# Altium PCB BreakoutBoardRev1.PcbDoc (continued)
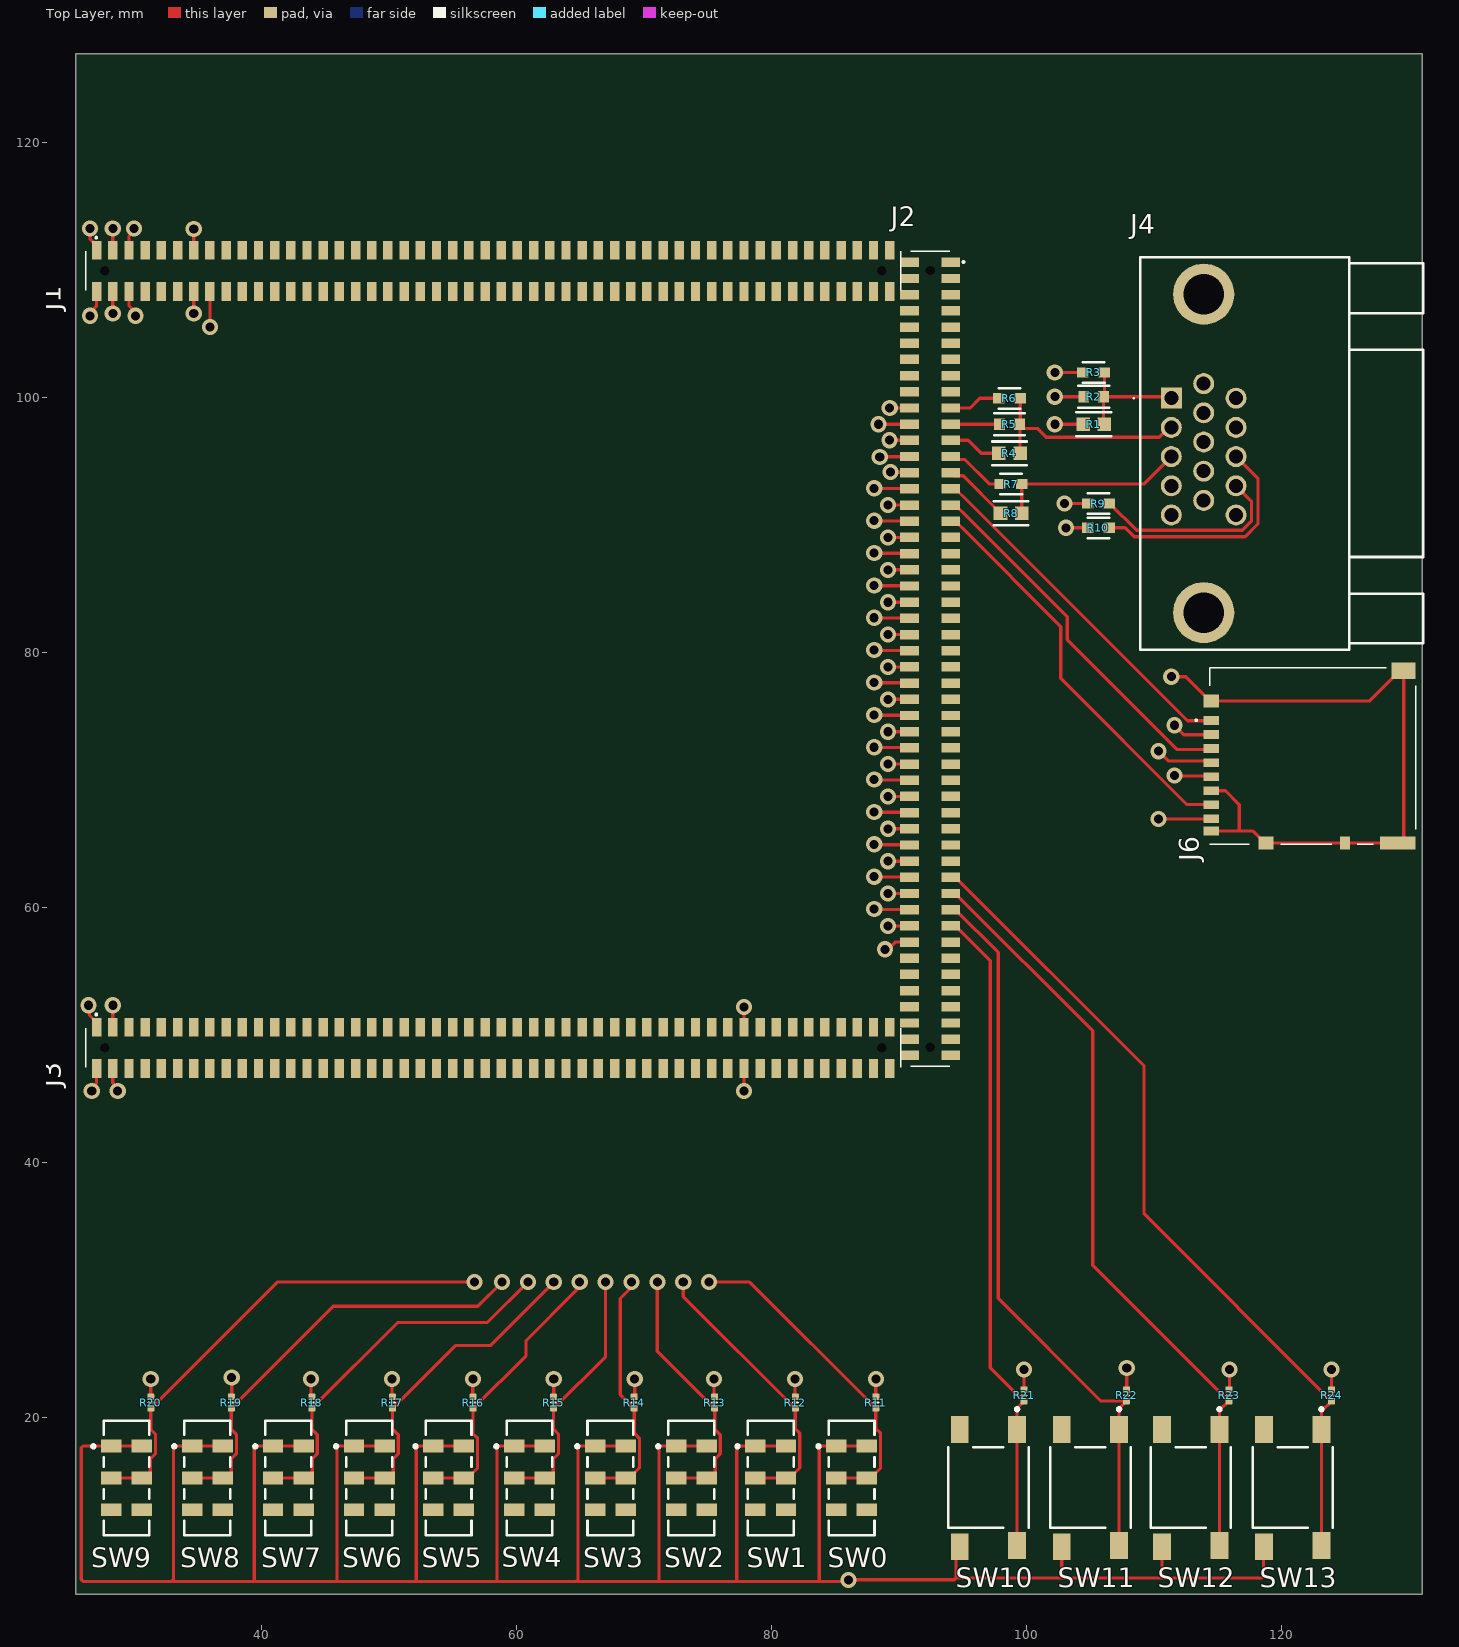
[diagram p0: Top Layer view]

## Layer stack, top to bottom
Top Solder: solder mask 0.0102, Solder Resist, Dk 3.5
Top Layer: signal copper 0.0356
Dielectric 1: dielectric 0.32, FR-4, Dk 4.8
Mid-Layer 1: signal copper 0.0356
Dielectric3: dielectric 0.32, FR-4, Dk 4.8
Mid-Layer 2: signal copper 0.0356
Dielectric4: dielectric 0.32, FR-4, Dk 4.8
Mid-Layer 3: signal copper 0.0356
Dielectric2: dielectric 0.32, FR-4, Dk 4.8
Bottom Layer: signal copper 0.0356
Bottom Solder: solder mask 0.0102, Solder Resist, Dk 3.5

## Board outline
25.4,6.096 131.064,6.096 131.064,127 25.4,127

## Design rules (kind name [scope] priority, off if disabled: settings)
Clearance [All] p1: gap=0.15 ignorepadtopadclearanceinfootprint=FALSE
ComponentClearance [All] p1: gap=1.5 collisioncheckmode=3 verticalgap=1.5 showdistances=FALSE
PolygonConnect [All] p1: connectstyle=Relief reliefconductorwidth=0.254 reliefentries=4 polygonreliefangle="90 Angle" airgapwidth=0.254
RoutingVias [All] p1: holewidth=0.711 width=1.27 viastyle="Through Hole" minholewidth=0.711 minwidth=1.27 maxholewidth=0.711 maxwidth=1.27
SolderMaskExpansion [All] p1: expansion=0.102 istentingtop=FALSE
SupplyNets "Schematic Supply Nets_2" [InNet('VDD12')] p1: voltage=0.000
SupplyNets "Schematic Supply Nets_1" [InNet('VDD3.3')] p2: voltage=0.000
SupplyNets "Schematic Supply Nets" [InNet('GND')] p3: voltage=0.000
Width [All] p1: maxlimit=0.254 minlimit=0.254 preferedwidth=0.254
29 further rules are at their usual default settings.

## Classes and differential pairs
component class SWITCHES: R11 R12 R13 R14 R15 R16 R17 R18 R19 R20 R21 R22 R23 R24 SW0 SW1 SW2 SW3 SW4 SW5 SW6 SW7 SW8 SW9 SW10 SW11 SW12 SW13
component class MICROSD: J6
component class VGA: J4 R1 R2 R3 R4 R5 R6 R7 R8 R9 R10
component class FPGA_GPIO: J1 J2 J3

## Components (designator, comment, footprint, x,y, rotation, side; value= is the part's Value field where it differs from the comment)
J1 "CLP-150-02-L-D-A" CLP-150-02-XXX-D-A 58.166,109.946 r180 top
J2 "CLP-150-02-L-D-A" CLP-150-02-XXX-D-A 92.456,79.507 r90 top
J3 "CLP-150-02-L-D-A" CLP-150-02-XXX-D-A 58.166,48.986 r180 top
J4 "L77HDE15SD1CH4FVGA" L77HDE15SD1CH4FVGA 111.379,99.957 r90 top
J6 "DM3AT-SF-PEJM5" DM3ATSFPEJM5 121.92,71.882 r90 top
R1 "MCT06030C2001FP500" FP-MCT0603-IPC_A 105.283,97.917 r0 top
R2 "AT0603FRE071KL" FP-AT0603-IPC_B 105.283,100.076 r0 top
R3 "RT0603FRE07510RL" FP-RT0603-MFG 105.283,101.981 r0 top value=510Ω
R4 "MCT06030C2001FP500" FP-MCT0603-IPC_A 98.679,95.631 r0 top
R5 "AT0603FRE071KL" FP-AT0603-IPC_B 98.679,97.917 r0 top
R6 "RT0603FRE07510RL" FP-RT0603-MFG 98.679,99.949 r0 top value=510Ω
R7 "RT0603FRE07866RL" FP-RT0603-MFG 98.806,93.218 r0 top value=866Ω
R8 "MCT06030C4640FP500" FP-MCT0603-IPC_A 98.806,90.932 r0 top
R9 "RT0603FRE0747RL" FP-RT0603-MFG 105.664,91.694 r0 top value=47Ω
R10 "RT0603FRE0747RL" FP-RT0603-MFG 105.664,89.789 r0 top value=47Ω
R11 "10KR2F" RESC0402(1005)_L 88.195,21.151 r90 top value=10k
R12 "10KR2F" RESC0402(1005)_L 81.873,21.151 r90 top value=10k
R13 "10KR2F" RESC0402(1005)_L 75.551,21.151 r90 top value=10k
R14 "10KR2F" RESC0402(1005)_L 69.23,21.151 r90 top value=10k
R15 "10KR2F" RESC0402(1005)_L 62.908,21.151 r90 top value=10k
R16 "10KR2F" RESC0402(1005)_L 56.586,21.151 r90 top value=10k
R17 "10KR2F" RESC0402(1005)_L 50.264,21.151 r90 top value=10k
R18 "10KR2F" RESC0402(1005)_L 43.943,21.151 r90 top value=10k
R19 "10KR2F" RESC0402(1005)_L 37.621,21.151 r90 top value=10k
R20 "10KR2F" RESC0402(1005)_L 31.299,21.151 r90 top value=10k
R21 "10KR2F" RESC0402(1005)_L 99.822,21.717 r90 top value=10k
R22 "10KR2F" RESC0402(1005)_L 107.865,21.717 r90 top value=10k
R23 "10KR2F" RESC0402(1005)_L 115.909,21.717 r90 top value=10k
R24 "10KR2F" RESC0402(1005)_L 123.952,21.717 r90 top value=10k
SW0 "JS202011JCQN" FP-JS202011JCQN-MFG 86.29,15.24 r270 top
SW1 "JS202011JCQN" FP-JS202011JCQN-MFG 79.94,15.24 r270 top
SW2 "JS202011JCQN" FP-JS202011JCQN-MFG 73.717,15.24 r270 top
SW3 "JS202011JCQN" FP-JS202011JCQN-MFG 67.367,15.24 r270 top
SW4 "JS202011JCQN" FP-JS202011JCQN-MFG 61.017,15.24 r270 top
SW5 "JS202011JCQN" FP-JS202011JCQN-MFG 54.667,15.24 r270 top
SW6 "JS202011JCQN" FP-JS202011JCQN-MFG 48.444,15.24 r270 top
SW7 "JS202011JCQN" FP-JS202011JCQN-MFG 42.094,15.24 r270 top
SW8 "JS202011JCQN" FP-JS202011JCQN-MFG 35.744,15.24 r270 top
SW9 "JS202011JCQN" FP-JS202011JCQN-MFG 29.394,15.24 r270 top
SW10 "2-1977223-2" FP-2-1977223-2-MFG 97.028,14.478 r0 top
SW11 "2-1977223-2" FP-2-1977223-2-MFG 105.029,14.478 r0 top
SW12 "2-1977223-2" FP-2-1977223-2-MFG 112.903,14.478 r0 top
SW13 "2-1977223-2" FP-2-1977223-2-MFG 120.904,14.478 r0 top

## Footprints (in the part's own frame and the unit in brackets; to place one, negate y for a bottom-side part, rotate by r counter-clockwise, add the part's x,y. Pads: shape width x height; smd on the part's side, far side on the other; paste and mask are expansions set on the pad)
CLP-150-02-XXX-D-A [mm]
  rect 0.74x1.47 smd: 1(31.115,-1.615) 2(31.115,1.615) 3(29.845,-1.615) 4(29.845,1.615) 5(28.575,-1.615) 6(28.575,1.615) 7(27.305,-1.615) 8(27.305,1.615) 9(26.035,-1.615) 10(26.035,1.615) 11(24.765,-1.615) 12(24.765,1.615) 13(23.495,-1.615) 14(23.495,1.615) 15(22.225,-1.615) 16(22.225,1.615) 17(20.955,-1.615) 18(20.955,1.615) 19(19.685,-1.615) 20(19.685,1.615) 21(18.415,-1.615) 22(18.415,1.615) 23(17.145,-1.615) 24(17.145,1.615) 25(15.875,-1.615) 26(15.875,1.615) 27(14.605,-1.615) 28(14.605,1.615) 29(13.335,-1.615) 30(13.335,1.615) 31(12.065,-1.615) 32(12.065,1.615) 33(10.795,-1.615) 34(10.795,1.615) 35(9.525,-1.615) 36(9.525,1.615) 37(8.255,-1.615) 38(8.255,1.615) 39(6.985,-1.615) 40(6.985,1.615) 41(5.715,-1.615) 42(5.715,1.615) 43(4.445,-1.615) 44(4.445,1.615) 45(3.175,-1.615) 46(3.175,1.615) 47(1.905,-1.615) 48(1.905,1.615) 49(0.635,-1.615) 50(0.635,1.615) 51(-0.635,-1.615) 52(-0.635,1.615) 53(-1.905,-1.615) 54(-1.905,1.615) 55(-3.175,-1.615) 56(-3.175,1.615) 57(-4.445,-1.615) 58(-4.445,1.615) 59(-5.715,-1.615) 60(-5.715,1.615) 61(-6.985,-1.615) 62(-6.985,1.615) 63(-8.255,-1.615) 64(-8.255,1.615) 65(-9.525,-1.615) 66(-9.525,1.615) 67(-10.795,-1.615) 68(-10.795,1.615) 69(-12.065,-1.615) 70(-12.065,1.615) 71(-13.335,-1.615) 72(-13.335,1.615) 73(-14.605,-1.615) 74(-14.605,1.615) 75(-15.875,-1.615) 76(-15.875,1.615) 77(-17.145,-1.615) 78(-17.145,1.615) 79(-18.415,-1.615) 80(-18.415,1.615) 81(-19.685,-1.615) 82(-19.685,1.615) 83(-20.955,-1.615) 84(-20.955,1.615) 85(-22.225,-1.615) 86(-22.225,1.615) 87(-23.495,-1.615) 88(-23.495,1.615) 89(-24.765,-1.615) 90(-24.765,1.615) 91(-26.035,-1.615) 92(-26.035,1.615) 93(-27.305,-1.615) 94(-27.305,1.615) 95(-28.575,-1.615) 96(-28.575,1.615) 97(-29.845,-1.615) 98(-29.845,1.615) 99(-31.115,-1.615) 100(-31.115,1.615)
  round 0.37 hole 0.74 unplated: 101(30.475,0) 102(-30.475,0)
  silkscreen extent -31.96,-2.66 31.96,1.52, body extent -31.97,-2.28 31.97,2.28, height 2.47
DM3ATSFPEJM5 [mm]
  rect 0.7x1.2 smd: 1(2.775,7.412) 2(1.675,7.412) 3(0.575,7.412) 4(-0.525,7.412) 5(-1.625,7.412) 6(-2.725,7.412) 7(-3.825,7.412) 8(-4.925,7.412) MP2(-5.875,7.412)
  rect 1x1.2 smd: MP1(4.325,7.412) MP3(-6.825,3.112)
  rect 1x0.8 smd: MP4(-6.825,-3.087)
  rect 1x2.8 smd: MP5(-6.825,-7.237)
  rect 1.3x1.9 smd: MP6(6.675,-7.688)
  silkscreen extent -6.93,-8.64 6.93,8.64, body extent -6.98,-8.65 6.97,7.51, height 1.68
FP-2-1977223-2-MFG [mm]
  rect 1.4x2.1 smd paste+0 mask+0: 1(2.25,4.55) 2(2.25,-4.55) 3(-2.25,4.55) 4(-2.25,-4.65)
  silkscreen extent -3.15,-3.15 3.15,6.27, body extent -3.25,-5.8 3.25,5.7, height 0.25
FP-AT0603-IPC_B [mm]
  rect 0.859x0.912 smd paste+0 mask+0: 1(-0.777,0) 2(0.777,0)
  silkscreen extent -1.21,-0.86 1.21,0.86, body extent -1.46,-0.71 1.46,0.71, height 0.25
FP-JS202011JCQN-MFG [mm]
  rect 1x1.6 smd paste+0 mask+0: 1(-2.5,-1.2) 2(0,-1.2) 3(2.5,-1.2) 5(-2.5,1.2) 6(0,1.2) 7(2.5,1.2)
  silkscreen extent -4.5,-2.72 4.5,1.8, body extent -4.5,-1.8 4.5,1.8, height 5.6
FP-MCT0603-IPC_A [mm]
  rect 1.064x1.062 smd paste+0 mask+0: 1(-0.829,0) 2(0.829,0)
  silkscreen extent -1.36,-0.93 1.36,0.93, body extent -1.86,-1.03 1.86,1.03, height 0.25
FP-RT0603-MFG [mm]
  rect 0.9x0.8 smd paste+0 mask+0: 1(-0.85,0) 2(0.85,0)
  silkscreen extent -0.85,-0.81 0.86,0.8, body extent -1.4,-0.55 1.4,0.55, height 0.25
L77HDE15SD1CH4FVGA [mm]
  rect 1.65x1.65 hole 1.1: 1(0,0)
  round 1.65 hole 1.1: 2(-2.29,0) 3(-4.58,0) 4(-6.87,0) 5(-9.16,0) 6(1.145,-2.54) 7(-1.145,-2.54) 8(-3.435,-2.54) 9(-5.725,-2.54) 10(-8.015,-2.54) 11(0,-5.08) 12(-2.29,-5.08) 13(-4.58,-5.08) 14(-6.87,-5.08) 15(-9.16,-5.08)
  round 4.8 hole 3.2: MH1(8.165,-2.54) MH2(-16.825,-2.54)
  silkscreen extent -19.74,-19.77 11.07,3, body extent -19.73,-19.89 11.08,2.21, height 12.48
RESC0402(1005)_L [mm] "Chip Resistor, Body 1.0x0.5mm, IPC High Density"
  rrect25% 0.5x0.55 smd: 1(-0.45,0) 2(0.45,0)
  silkscreen extent 0,-0.2 0,0.2, body extent -0.5,-0.25 0.5,0.25, height 0.3

## Part data
J1 J2 J3: "Connector", Manufacturer_Name=SAMTEC, Datasheet Link=http://suddendocs.samtec.com/prints/erm8-xxx-xx.x-xxx-dv-xxxx-xx-mkt.pdf, Height=2.37mm, Manufacturer_Part_Number=CLP-150-02-L-D-A
J4: "Connector", Manufacturer_Name="Amphenol Communications Solutions", Mouser Part Number=523-7HDE15SD1CH4FVGA, Arrow Part Number=L77HDE15SD1CH4FVGA, Arrow Price/Stock=https://www.arrow.com/en/products/l77hde15sd1ch4fvga/amphenol-fci?region=nac, Datasheet Link=https://cdn.amphenol-cs.com/media/wysiwyg/files/drawing/l77hde15sd1ch4fvga.pdf, Height=12.85mm, Manufacturer_Part_Number=L77HDE15SD1CH4FVGA, Mouser Price/Stock=https://www.mouser.co.uk/ProductDetail/Amphenol-Commercial-Products/L77HDE15SD1CH4FVGA?qs=ToP8pWlZ0bNtQSp9f8k5Rw%3D%3D
J6: "Connector", Manufacturer_Name=Hirose, Mouser Part Number=798-DM3AT-SF-PEJM5, Datasheet Link=https://datasheet.lcsc.com/szlcsc/Hirose-HRS-DM3AT-SF-PEJM5_C114218.pdf, Height=1.83mm, Manufacturer_Part_Number=DM3AT-SF-PEJM5, Mouser Price/Stock=https://www.mouser.co.uk/ProductDetail/Hirose-Connector/DM3AT-SF-PEJM5?qs=LZSZKJVF%252B2WTDKp%252BR7IYAQ%3D%3D
R1 R4: library part CMP-02407-000403-1, "RES SMD 100 OHM 1% 1/8W 0603", Case Code (Imperial)=0603, Case Code (Metric)=1608, Max Operating Temperature=125°C, Max Power Dissipation=125mW, Min Operating Temperature=-55°C, Package Quantity=1, Power Rating=100mW, Resistance=2kR, Temperature Coefficient=50ppm/°C, Tolerance=1%, Voltage Rating=75V, Case/Package=0603, Composition="Thin Film", Contact Plating=Tin, Depth=0.85mm, Height=0.022inch, Lead Free="Lead Free", Length=1.55mm, Military Standard=Not, Mount="Surface Mount", Number of Terminations=2, Packaging="Tape and Reel", Radiation Hardening=No, REACH SVHC="No SVHC", Voltage Rating (DC)=75V, Width=0.033inch
R2 R5: library part CMP-03412-039220-1, "Thin Film Chip Resistors Automotive Grade 1kΩ 1% 50ppm/°C 0603", Case Code (Imperial)=0603, Case Code (Metric)=1608, Max Operating Temperature=155°C, Max Power Dissipation=100mW, Min Operating Temperature=-55°C, Ratings=AEC-Q200, Resistance=1kR, Resistor Type="Thin Film", Temperature Coefficient=50ppm/°C, Tolerance=1%, Case/Package=0603, Features="Moisture Resistant", Height=0.022inch, Length=0.063inch, Number of Terminations=2, Packaging="Cut Tape", RoHS Compliant=Yes, Series=AT, Width=0.032inch
R3 R6: library part CMP-2000-04767-2, "RES SMD 510 OHM 1% 1/10W 0603", Manufacturer=Yageo, Package=RT0603, Power Rating=0.1W, Resistance=510Ω, Temperature="-55°C to +155°C", Temperature Coefficient="50 ppm/°C", Temperature Range High=+155°C, Temperature Range Low=-55°C, Tolerance=0.01, Voltage Rating=75V, Automotive=No, Category=Res, ComponentLink2Description=Datasheet, ComponentLink2URL=http://www.yageo.com/documents/recent/PYu-RT_1-to-0.01_RoHS_L_9.pdf, Composition="Thin Film", Device Class L1="Passive Components", Device Class L2=Resistors, Device Class L3="Chip SMD Resistors", Digikey Description="RES SMD 510 OHM 1% 1/10W 0603", Footprint Url=http://www.yageo.com/exep/pages/download/literatures/PYu-R_Mount_10.pdf, Height=0.55mm, Ipc Land Pattern Name=RESC16080X45, Lead Free=Yes, Manufacturer Part Number=RT0603FRE07510RL, Mouser Description="Res Thin Film 0603 510 Ohm 1% 1/10W ±50ppm/°C Molded SMD SMD Paper T/R", Octopart=https://octopart.com/rt0603fre07510rl-yageo-1398442, RoHS=TRUE, Series=RT
R7: library part CMP-2000-04803-2, "RES SMD 866 OHM 1% 1/10W 0603", Manufacturer=Yageo, Package=RT0603, Power Rating=0.1W, Resistance=866Ω, Temperature="-55°C to +155°C", Temperature Coefficient="50 ppm/°C", Temperature Range High=+155°C, Temperature Range Low=-55°C, Tolerance=0.01, Voltage Rating=75V, Automotive=No, Category=Res, ComponentLink2Description=Datasheet, ComponentLink2URL=http://www.yageo.com/documents/recent/PYu-RT_1-to-0.01_RoHS_L_9.pdf, Composition="Thin Film", Device Class L1="Passive Components", Device Class L2=Resistors, Device Class L3="Chip SMD Resistors", Digikey Description="RES SMD 866 OHM 1% 1/10W 0603", Footprint Url=http://www.yageo.com/exep/pages/download/literatures/PYu-R_Mount_10.pdf, Height=0.55mm, Ipc Land Pattern Name=RESC16080X45, Lead Free=Yes, Manufacturer Part Number=RT0603FRE07866RL, Mouser Description="Thin Film Resistors - SMD 1/10W 866 ohm 1% 50ppm", Octopart=https://octopart.com/rt0603fre07866rl-yageo-1233978, RoHS=TRUE, Series=RT
R8: library part CMP-02407-000539-1, "RES SMD 100 OHM 1% 1/8W 0603", Case Code (Imperial)=0603, Case Code (Metric)=1608, Max Operating Temperature=125°C, Min Operating Temperature=-55°C, Power Rating=100mW, Resistance=464R, Temperature Coefficient=50ppm/°C, Tolerance=1%, Voltage Rating=75V, Case/Package=0603, Composition="Thin Film", Contact Plating=Tin, Depth=0.85mm, Lead Free="Lead Free", Length=1.55mm, Military Standard=Not, Mount="Surface Mount", Packaging="Cut Tape", Radiation Hardening=No, Voltage Rating (DC)=75V, Width=850um
R9 R10: library part CMP-03412-032644-1, "RES SMD 47 OHM 1% 1/10W 0603", Manufacturer=Yageo, Package=RT0603, Power Rating=0.1W, Resistance=47Ω, Temperature="-55°C to +155°C", Temperature Coefficient="50 ppm/°C", Temperature Range High=+155°C, Temperature Range Low=-55°C, Tolerance=0.01, Voltage Rating=75V, Automotive=No, Category=Res, ComponentLink2Description=Datasheet, ComponentLink2URL=http://www.yageo.com/documents/recent/PYu-RT_1-to-0.01_RoHS_L_9.pdf, Composition="Thin Film", Device Class L1="Passive Components", Device Class L2=Resistors, Device Class L3="Chip SMD Resistors", Digikey Description="RES SMD 47 OHM 1% 1/10W 0603", Footprint Url=http://www.yageo.com/exep/pages/download/literatures/PYu-R_Mount_10.pdf, Height=0.55mm, Ipc Land Pattern Name=RESC16080X45, Lead Free=Yes, Manufacturer Part Number=RT0603FRE0747RL, Mouser Description="RT Series 0603 0.1 W 47 Ohm ±1 % ±50 ppm/°C SMT Thin Film Chip Resistor", Octopart=https://octopart.com/rt0603fre0747rl-yageo-39813773, RoHS=TRUE, Series=RT
R11 R12 R13 R14 R15 R16 R17 R18 R19 R20 R21 R22 R23 R24: library part CMP-009-00066-2, "10K 0.063W 1% 0402 (1005 Metric)  SMD", Case/Package=0402, Power=63mW, Tolerance=1%, Mounting Technology=SMT, Pins=2
SW0 SW1 SW2 SW3 SW4 SW5 SW6 SW7 SW8 SW9: library part CMP-10038-000009-1, "SWITCH SLIDE DPDT 300MA 6V", Current Rating=300mA, Max Operating Temperature=85°C, Min Operating Temperature=-40°C, Voltage Rating (DC)=6V, Actuator Length=2mm, Actuator Material=Nylon, Actuator Type=Standard, Contact Material="Copper Alloy", Contact Plating=Silver, Electrical Life=5000Cycles, Mount="Surface Mount", Packaging="Cut Tape", Switch Function=On-On, Switch Travel=2mm, Throw Configuration=DPDT
SW10 SW11 SW12 SW13: library part CMP-03407-000026-1, "SWITCH TACTILE SPST-NO 0.05A 24V", RoHS Compliant=Yes

## Via types
v1: diameter 1.27, hole 0.711, Top Layer to Bottom Layer, 84 vias

## Nets (pads, with @x,y where several pads share a name; then routed paths per layer and width w, separated by ;. In a path a pad name is that pad's centre, name@x,y a point inside that pad or via, vN(x,y) a via of type N, cw(c..) or ccw(c..) an arc to the next point about the centre after c; other vN are vias at no path point)
3_3V: J6.4
64_L1_N: J1.40
64_L1_P: J1.39
64_L2_N: J1.47
64_L2_P: J1.48
64_L3_N: J1.46
64_L3_P: J1.45
64_L4_N: J1.38
64_L4_P: J1.37
64_L5_N: J1.49
64_L5_P: J1.50
64_L6_N: J1.35
64_L6_P: J1.36
64_L7_N: J1.56
64_L7_P: J1.55
64_L9_N: J1.53
64_L9_P: J1.54
64_L11_N: J1.58
64_L11_P: J1.57
64_L12_N: J1.52
64_L12_P: J1.51
64_L13_N: J1.71
64_L13_P: J1.72
64_L14_N: J1.73
64_L14_P: J1.74
64_L15_N: J1.61
64_L15_P: J1.62
64_L16_N: J1.67
64_L16_P: J1.68
64_L17_N: J1.66
64_L17_P: J1.65
64_L18_N: J1.75
64_L18_P: J1.76
64_L19_N: J1.33
64_L19_P: J1.34
64_L21_N: J1.63
64_L21_P: J1.64
64_L22_N: J1.69
64_L22_P: J1.70
64_L23_N: J1.77
64_L23_P: J1.78
64_L24_N: J1.60
64_L24_P: J1.59
65_L16_N: J1.43
65_L16_P: J1.44
65_L17_N: J3.21
65_L17_P: J3.22
65_L18_N: J1.42
65_L18_P: J1.41
65_L20_N: J3.55
65_L20_P: J3.56
65_L21_N: J1.32
65_L21_P: J1.31
65_L22_N: J1.30
65_L22_P: J1.29
65_L23_N: J3.62
65_L23_P: J3.61
65_L24_N: J3.33
65_L24_P: J3.34
66_L5_N: J3.43
66_L5_P: J3.44
66_L8_N: J1.26
66_L8_P: J1.25
66_L9_N: J3.23
66_L9_P: J3.24
66_L10_N: J1.28
66_L10_P: J1.27
66_L15_N: J3.25
66_L15_P: J3.26
66_L17_N: J3.28
66_L17_P: J3.27
67_L1_N: J3.80
67_L1_P: J3.79
67_L2_N: J3.70
67_L2_P: J3.69
67_L3_N: J3.78
67_L3_P: J3.77
67_L4_N: J3.57
67_L4_P: J3.58
67_L5_N: J3.72
67_L5_P: J3.71
67_L6_N: J3.68
67_L6_P: J3.67
67_L7_N: J3.76
67_L7_P: J3.75
67_L9_N: J3.41
67_L9_P: J3.42
67_L10_N: J3.45
67_L10_P: J3.46
67_L12_N: J3.53
67_L12_P: J3.54
67_L13_N: J3.51
67_L13_P: J3.52
67_L14_N: J3.49
67_L14_P: J3.50
67_L15_N: J3.66
67_L15_P: J3.65
67_L16_N: J3.60
67_L16_P: J3.59
67_L17_N: J3.74
67_L17_P: J3.73
67_L18_N: J3.47
67_L18_P: J3.48
67_L19_N: J3.31
67_L19_P: J3.32
67_L20_N: J3.39
67_L20_P: J3.40
67_L22_N: J3.37
67_L22_P: J3.38
67_L23_N: J3.29
67_L23_P: J3.30
67_L24_N: J3.35
67_L24_P: J3.36
A9: J2.86 R11.1 SW0.2 SW0.6 | length 59.8
  Top Layer w0.254: v1(75.114,30.607) 78.289,30.607 88.047,20.849 88.047,20.824 88.17,20.701 R11.1 88.195,19.112 88.567,18.74 88.567,16.017 87.79,15.24 SW0.6 SW0.2 ; v1(88.906,56.715) 89.158,56.715 89.725,57.282 J2.86
  Mid-Layer 1 w0.254: v1(75.114,30.607) 87.884,43.377 87.884,55.693 v1(88.906,56.715)
A10: J2.84 R12.1 SW1.2 SW1.6 | length 58.7
  Top Layer w0.254: v1(73.082,30.607) 73.082,29.467 81.848,20.701 R12.1 81.873,19.098 82.217,18.754 82.217,16.017 81.44,15.24 SW1.6 SW1.2 ; v1(89.156,58.549) v1(89.156,58.549) 90.84,58.551 J2.84
  Mid-Layer 1 w0.254: v1(73.082,30.607) 87.399,44.924 87.399,57.173 88.502,58.276 88.608,58.276 88.882,58.549 v1(89.156,58.549)
A12: J2.81 R22.1 SW11.1 SW11.2 | length 57.2
  Top Layer w0.254: J2.81 94.436,59.822 97.79,56.468 97.79,29.337 105.86,21.267 R22.1 ; SW11.2 SW11.1 107.279,20.706 R22.1@107.84,21.267
A13: J2.80 R14.1 SW3.2 SW3.6 | length 60.6
  Top Layer w0.254: SW3.2 SW3.6 68.867,15.24 69.644,16.017 69.644,18.355 69.23,18.769 R14.1 69.205,20.701 68.129,21.777 68.129,29.315 68.824,30.01 68.824,30.413 v1(69.018,30.607) ; v1(89.156,61.089) v1(89.156,61.089) 90.84,61.091 J2.80
  Mid-Layer 1 w0.254: v1(69.018,30.607) 86.233,47.822 86.233,59.329 87.993,61.089 v1(89.156,61.089)
A14: J2.75
AA13: J2.31 J6.3 | length 29.5
  Top Layer w0.254: J2.31 94.436,91.572 94.955,91.053 94.964,91.053 103.215,82.802 103.215,81.022 111.847,72.39 114.441,72.39 J6.3
AA14: J2.32 J6.5 | length 35.9
  Top Layer w0.254: v1(89.154,91.567) 89.156,91.569 90.839,91.569 J2.32 ; v1(111.633,70.358) 111.684,70.307 114.458,70.307 J6.5
  Mid-Layer 1 w0.254: v1(89.154,91.567) 89.408,91.567 110.49,70.485 111.506,70.485 v1(111.633,70.358)
AB14: J2.29 J6.1 | length 28
  Top Layer w0.254: J2.29 94.436,92.842 94.955,92.323 94.984,92.323 112.65,74.657 J6.1
AB16: J2.30 J6.2 | length 37.3
  Top Layer w0.254: v1(88.063,92.889) 88.087,92.866 90.817,92.866 J2.30 ; v1(111.633,74.295) 112.371,73.557 J6.2
  Mid-Layer 1 w0.254: v1(88.063,92.889) 93.039,92.889 v1(111.633,74.295)
AC13: J2.27 R8.1 | length 5.2
  Top Layer w0.254: J2.27 94.314,93.869 95.039,93.869 R8.1
AC14: J2.28 R10.1 | length 18.8
  Top Layer w0.254: v1(89.356,94.176) 89.388,94.144 90.809,94.144 J2.28 ; v1(103.124,89.789) R10.1
  Mid-Layer 1 w0.254: v1(89.356,94.176) 98.737,94.176 v1(103.124,89.789)
AD13: J2.25 R7.1 | length 4.8
  Top Layer w0.254: J2.25 94.306,95.147 95.187,95.147 97.116,93.218 R7.1
AD14: J2.26 R9.1 | length 20.2
  Top Layer w0.254: v1(88.501,95.346) 88.519,95.364 90.823,95.364 J2.26 ; v1(102.997,91.694) R9.1
  Mid-Layer 1 w0.254: v1(88.501,95.346) 99.345,95.346 v1(102.997,91.694)
AD15: J2.20 R3.1 | length 17.9
  Top Layer w0.254: v1(89.281,99.187) 89.283,99.189 90.838,99.189 J2.20 ; v1(102.235,101.981) R3.1
  Mid-Layer 1 w0.254: v1(89.281,99.187) 92.075,101.981 v1(102.235,101.981)
ADC_VN: J3.63
ADC_VP: J3.64
AE13: J2.23 R4.1 | length 4.2
  Top Layer w0.254: J2.23 95.43,96.652 96.451,95.631 R4.1
AE15: J2.24 R1.1 | length 17.3
  Top Layer w0.254: v1(89.262,96.666) 89.269,96.659 90.834,96.659 J2.24 ; v1(102.235,97.917) R1.1
  Mid-Layer 1 w0.254: v1(89.262,96.666) 89.448,96.666 90.073,97.291 101.424,97.291 102.049,97.917 v1(102.235,97.917)
AF13: J2.21 R5.1 | length 3.8
  Top Layer w0.254: J2.21 97.897,97.922 R5.1
AF14: J2.22 R2.1 | length 19.5
  Top Layer w0.254: v1(88.392,97.917) 88.394,97.919 90.838,97.919 J2.22 ; v1(102.235,100.076) R2.1
  Mid-Layer 1 w0.254: v1(88.392,97.917) 100.076,97.917 v1(102.235,100.076)
AF15: J2.19 R6.1 | length 4.1
  Top Layer w0.254: J2.19 95.592,99.192 96.35,99.949 R6.1
B9: J2.83 R21.1 SW10.1 SW10.2 | length 51.5
  Top Layer w0.254: J2.83 94.436,58.552 97.176,55.811 97.176,23.888 99.797,21.267 R21.1 99.278,20.723 SW10.2
B10: J2.82 R13.1 SW2.2 SW2.6 | length 59.6
  Top Layer w0.254: v1(71.05,30.607) 71.05,25.177 75.526,20.701 R13.1 75.551,19.073 75.994,18.63 75.994,17.125 75.59,16.721 75.59,15.613 75.217,15.24 SW2.6 SW2.2 ; v1(88.066,59.872) 88.091,59.847 90.816,59.847 J2.82
  Mid-Layer 1 w0.254: v1(71.05,30.607) 71.244,30.801 71.244,31.239 86.995,46.99 86.995,58.801 v1(88.066,59.872)
B11: J2.79 R23.1 SW12.1 SW12.2 | length 60.7
  Top Layer w0.254: J2.79 94.436,61.092 105.22,50.308 105.22,31.931 R23.1@115.884,21.267 ; SW12.2 SW12.1 115.153,20.536 R23.1@115.884,21.267 ; R23.1 R23.1@115.884,21.267
B12: J2.78 R15.1 SW4.2 SW4.6 | length 63.6
  Top Layer w0.254: SW4.2 SW4.6 62.517,15.24 62.89,15.613 62.89,16.721 63.294,17.125 63.294,18.659 62.908,19.045 R15.1 62.933,20.701 66.986,24.754 v1(66.986,30.607) ; v1(88.066,62.412) 88.091,62.387 90.816,62.387 J2.78
  Mid-Layer 1 w0.254: v1(66.986,30.607) 85.725,49.346 85.725,60.071 v1(88.066,62.412)
B14: J2.74 R17.1 SW6.2 SW6.6 | length 72.9
  Top Layer w0.254: SW6.2 SW6.6 49.944,15.24 50.317,15.613 50.317,16.721 50.721,17.125 50.721,18.623 50.264,19.08 R17.1 50.289,20.701 55.207,25.618 57.933,25.618 v1(62.922,30.607) ; v1@88.089,64.928 J2.74@90.82,64.928
  Mid-Layer 1 w0.254: v1(62.922,30.607) 62.922,39.808 v1(88.066,64.952)
C9: J2.70 R19.1 SW8.2 SW8.6 | length 85.7
  Top Layer w0.254: SW8.2 SW8.6 37.244,15.24 37.617,15.613 37.617,16.721 38.021,17.125 38.021,18.652 37.621,19.052 R19.1 37.646,20.701 37.769,20.824 37.769,20.849 45.622,28.702 56.953,28.702 v1(58.858,30.607) ; v1@88.089,67.468 J2.70@90.82,67.468
  Mid-Layer 1 w0.254: v1(58.858,30.607) 58.858,38.284 v1(88.066,67.492)
C11: J2.69
C12: J2.77 R24.1 SW13.1 SW13.2 | length 65.4
  Top Layer w0.254: J2.77 94.436,62.362 109.241,47.556 109.241,35.953 123.927,21.267 R24.1 123.154,20.469 SW13.2
C13: J2.76 R16.1 SW5.2 SW5.6 | length 67.8
  Top Layer w0.254: SW5.2 SW5.6 56.167,15.24 56.944,16.017 56.944,18.355 56.586,18.713 R16.1 56.611,20.701 60.747,24.837 60.747,26.019 64.68,29.952 64.68,30.058 64.954,30.332 v1(64.954,30.607) ; v1(89.156,63.629) v1(89.156,63.629) 90.84,63.631 J2.76
  Mid-Layer 1 w0.254: v1(64.954,30.607) 84.582,50.235 84.582,60.897 87.314,63.629 v1(89.156,63.629)
C14: J2.73
D9: J2.68 R20.1 SW9.2 SW9.6 | length 92.1
  Top Layer w0.254: SW9.2 SW9.6 30.894,15.24 31.267,15.613 31.267,16.721 31.671,17.125 31.671,18.666 31.299,19.038 R20.1 31.324,20.701 41.23,30.607 v1(56.699,30.607) ; v1@89.159,68.712 J2.68
  Mid-Layer 1 w0.254: v1(56.699,30.607) 56.699,37.415 87.993,68.709 v1(89.156,68.709)
D10: J2.67
D11: J2.61
D13: J2.72 R18.1 SW7.2 SW7.6 | length 79.4
  Top Layer w0.254: SW7.2 SW7.6 43.594,15.24 43.967,15.613 43.967,16.721 44.371,17.125 44.371,18.637 43.943,19.066 R18.1 43.968,20.701 44.091,20.824 44.091,20.849 50.674,27.432 57.715,27.432 v1(60.89,30.607) ; v1@89.159,66.172 J2.72
  Mid-Layer 1 w0.254: v1(60.89,30.607) 60.89,39.066 87.993,66.169 v1(89.156,66.169)
D14: J2.71
E10: J2.66 | length 2.7
  Top Layer w0.254: v1@88.087,70.006 J2.66@90.817,70.006
  other v1: 88.063,70.029
E11: J2.65
E12: J2.62 | length 2.7
  Top Layer w0.254: v1@88.087,72.546 J2.62@90.817,72.546
  other v1: 88.063,72.569
F9: J2.64 | length 1.9
  Top Layer w0.254: v1@89.156,71.249 90.839,71.249 J2.64@90.674,71.085
  other v1: 89.154,71.247
F10: J2.63
F12: J2.57
F13: J2.58 | length 2.7
  Top Layer w0.254: v1@88.087,75.086 J2.58@90.817,75.086
  other v1: 88.063,75.109
F14: J2.60 | length 1.7
  Top Layer w0.254: v1@89.156,73.789 J2.60@90.839,73.789
  other v1: 89.154,73.787
G9: J2.45
G10: J2.46 | length 2.7
  Top Layer w0.254: v1@88.087,82.706 J2.46@90.817,82.706
  other v1: 88.063,82.729
G11: J2.55
G12: J2.56 | length 1.7
  Top Layer w0.254: v1@89.156,76.329 J2.56@90.839,76.329
  other v1: 89.154,76.327
G14: J2.59
GND: J1.1 J1.2 J1.3 J1.4 J1.5 J1.6 J1.13 J1.14 J3.1 J3.2 J3.3 J3.4 J3.81 J3.82 J4.10 J6.6 J6.MP1 J6.MP2 J6.MP3 J6.MP4 J6.MP5 J6.MP6 SW0.1 SW0.5 SW1.1 SW1.5 SW2.1 SW2.5 SW3.1 SW3.5 SW4.1 SW4.5 SW5.1 SW5.5 SW6.1 SW6.5 SW7.1 SW7.5 SW8.1 SW8.5 SW9.1 SW9.5 SW10.4 SW11.4 SW12.4 SW13.4 | length 326.2
  Top Layer w0.254: v1(26.416,52.324) 26.492,52.248 26.492,51.525 27.051,50.966 J3.1 ; v1(26.543,106.426) 26.543,106.701 27.051,107.209 J1.2 ; v1(26.543,113.284) 26.522,113.263 26.522,112.455 27.051,111.926 J1.1@27.051,111.586 ; v1(26.67,45.593) 26.67,45.868 27.051,46.249 J3.2 ; J3.4 28.321,46.249 28.702,45.868 v1(28.702,45.593) ; J3.3 v1(28.321,52.324) ; v1(28.321,106.608) J1.4 ; J1.3 v1(28.321,113.284) ; J1.6 29.781,108.14 29.591,107.95 29.591,107.209 30.099,106.701 v1(30.099,106.426) ; J1.5 29.591,112.666 29.972,113.047 v1(29.972,113.284) ; SW9.5 SW9.1 25.987,17.74 25.838,17.591 25.838,7.261 25.987,7.112 32.95,7.112 33.077,7.239 33.077,17.591 33.226,17.74 SW8.1 SW8.5 ; 33.077,7.112 39.427,7.112 ; v1(34.671,106.608) J1.14 ; J1.13@34.671,111.506 v1(34.671,113.229) ; SW7.5 SW7.1 39.576,17.74 39.427,17.591 39.427,7.112 ; SW6.5 SW6.1 46.053,17.74 45.904,17.591 45.904,7.112 ; SW5.5 SW5.1 52.341,17.74 52.127,17.526 52.127,7.112 ; SW4.5 SW4.1 58.626,17.74 58.477,17.591 58.477,7.112 ; 64.827,7.112 71.177,7.112 ; SW3.5 SW3.1 64.976,17.74 64.827,17.591 64.827,7.239 64.7,7.112 58.477,7.112 ; SW2.5 SW2.1 71.326,17.74 71.177,17.591 71.177,7.112 ; v1(77.851,45.593) J3.82 ; J3.81 v1(77.851,52.197) ; SW1.5 SW1.1 77.422,17.74 77.273,17.591 77.273,7.112 ; SW0.5 SW0.1 83.899,17.74 83.75,17.591 83.75,7.112 ; SW10.4 94.488,9.538 94.488,7.388 ; SW11.4 102.779,7.424 102.743,7.388 ; SW12.4 110.653,7.424 110.617,7.388 ; v1(111.379,78.105) 112.51,78.105 114.408,76.207 126.958,76.207 129.308,78.557 J6.MP6 129.608,65.43 129.235,65.057 J6.MP5 J6.MP4 J6.MP3 118.708,65.057 117.758,66.007 116.713,66.007 ; J6.MP2 116.713,66.007 ; J6.6 115.628,69.157 116.713,68.072 116.713,66.007 ; SW13.4 118.618,9.792 118.618,7.537 118.469,7.388 110.617,7.388 ; 39.427,7.112 45.904,7.112 ; 45.904,7.112 52.127,7.112 ; 52.127,7.112 58.477,7.112 ; 71.177,7.112 77.273,7.112 ; 77.273,7.112 83.75,7.112 ; 83.75,7.112 85.909,7.112 v1(86.036,7.239) 94.339,7.239 94.488,7.388 ; 94.488,7.388 102.743,7.388 ; 102.743,7.388 110.617,7.388
H9: J2.43
H11: J2.50 | length 2.7
  Top Layer w0.254: v1@88.087,80.166 J2.50@90.817,80.166
  other v1: 88.063,80.189
H12: J2.44 | length 1.7
  Top Layer w0.254: v1@89.156,83.949 J2.44@90.839,83.949
  other v1: 89.154,83.947
H13: J2.51
H14: J2.52 | length 1.7
  Top Layer w0.254: v1@89.156,78.869 J2.52@90.839,78.869
  other v1: 89.154,78.867
J9: J2.41
J10: J2.42 | length 2.7
  Top Layer w0.254: v1@88.087,85.246 J2.42@90.817,85.246
  other v1: 88.063,85.269
J11: J2.49
J12: J2.47
J13: J2.48 | length 1.7
  Top Layer w0.254: v1@89.156,81.409 J2.48@90.839,81.409
  other v1: 89.154,81.407
J14: J2.53
J15: J2.54 | length 2.7
  Top Layer w0.254: v1@88.087,77.626 J2.54@90.817,77.626
  other v1: 88.063,77.649
K9: J2.39
K10: J2.40 | length 1.7
  Top Layer w0.254: v1@89.156,86.489 J2.40@90.839,86.489
  other v1: 89.154,86.487
NetJ4_1: J4.1 R1.2 R2.2 R3.2 | length 9.5
  Top Layer w0.254: R1.2 106.06,97.97 R2.2 ; R3.2 106.133,100.149 R2.2 ; J4.1 111.26,100.076 R2.2
NetJ4_2: J4.2 R4.2 R5.2 R6.2 | length 17
  Top Layer w0.254: R5.2@99.456,97.89 99.758,97.588 100.864,97.588 101.55,96.901 110.439,96.901 111.205,97.667 J4.2 ; R4.2 99.508,97.864 R5.2 99.529,97.99 R6.2
NetJ4_3: J4.3 R7.2 R8.2 | length 14.9
  Top Layer w0.254: R8.2 99.635,93.197 R7.2 109.22,93.218 J4.3
NetJ4_13: J4.13 R10.2 | length 18.4
  Top Layer w0.254: R10.2 107.751,89.789 108.457,89.083 117.169,89.083 118.173,90.087 118.173,93.663 J4.13
NetJ4_14: J4.14 R9.2 | length 15.6
  Top Layer w0.254: R9.2 106.564,91.694 108.667,89.591 116.959,89.591 117.665,90.297 117.665,91.881 J4.14
NetR21_1: 
NetR22_1: 
NetR23_1: 
NetR24_1: 
VDD3.3: J1.15 J1.16 R11.2 R12.2 R13.2 R14.2 R15.2 R16.2 R17.2 R18.2 R19.2 R20.2 R21.2 R22.2 R23.2 R24.2 | length 294.7
  Top Layer w0.254: R20.2 v1(31.299,22.987) ; v1(35.941,105.537) J1.16 ; R19.2@37.649,21.728 v1(37.649,23.114) ; R18.2@43.872,21.601 v1(43.872,22.987) ; R17.2@50.222,21.601 v1(50.222,22.987) ; R16.2@56.572,21.601 v1(56.572,22.987) ; R15.2@62.922,21.601 v1(62.922,22.987) ; R14.2@69.272,21.601 v1(69.272,22.987) ; R13.2@75.495,21.601 v1(75.495,22.987) ; R12.2@81.845,21.601 v1(81.845,22.987) ; R11.2 v1(88.195,22.987) ; R21.2 v1(99.822,23.749) ; R22.2@107.882,22.284 v1(107.882,23.866) ; v1(110.363,72.263) 111.125,71.501 114.364,71.501 114.508,71.357 ; R23.2@115.951,22.167 v1(115.951,23.749) ; R24.2 v1(123.952,23.749)
  Mid-Layer 2 w0.254: v1(31.299,22.987) 31.363,23.05 37.586,23.05 v1(37.649,23.114) 37.713,23.05 43.809,23.05 v1(43.872,22.987) ; v1(110.363,72.263) 93.726,88.9 93.342,88.9 76.705,105.537 v1(35.941,105.537) 42.474,99.004 42.474,24.385 v1(43.872,22.987) ; v1(123.952,23.749) v1(115.951,23.749) 115.893,23.807 107.94,23.807 v1(107.882,23.866) 107.824,23.807 99.88,23.807 v1(99.822,23.749) 99.06,22.987 v1(88.195,22.987) v1(81.845,22.987) v1(75.495,22.987) v1(69.272,22.987) v1(62.922,22.987) v1(56.572,22.987) v1(50.222,22.987) v1(43.872,22.987)
VDD12: J1.7 J1.8 J1.9 J1.10 J1.11 J1.12
W12: J2.38 | length 2.7
  Top Layer w0.254: v1@88.087,87.786 J2.38@90.817,87.786
  other v1: 88.063,87.809
W13: J2.37
W14: J2.36 | length 1.7
  Top Layer w0.254: v1@89.156,89.029 J2.36@90.839,89.029
  other v1: 89.154,89.027
W15: J2.35
Y15: J2.34 J6.8 | length 40.3
  Top Layer w0.254: v1@88.087,90.326 J2.34@90.817,90.326 ; v1(110.363,66.929) 110.377,66.943 114.494,66.943 J6.8
  Mid-Layer 1 w0.254: v1(88.063,90.349) 89.356,90.349 100.524,79.181 100.524,76.768 v1(110.363,66.929)
Y16: J2.33 J6.7 | length 32
  Top Layer w0.254: J2.33 94.436,90.302 94.955,89.783 94.964,89.783 102.707,82.04 102.707,77.974 112.609,68.072 114.493,68.072 J6.7
pads on no net: J1.17 J1.18 J1.19 J1.20 J1.21 J1.22 J1.23 J1.24 J1.79 J1.80 J1.81 J1.82 J1.83 J1.84 J1.85 J1.86 J1.87 J1.88 J1.89 J1.90 J1.91 J1.92 J1.93 J1.94 J1.95 J1.96 J1.97 J1.98 J1.99 J1.100 J1.101 J1.102 J2.1 J2.2 J2.3 J2.4 J2.5 J2.6 J2.7 J2.8 J2.9 J2.10 J2.11 J2.12 J2.13 J2.14 J2.15 J2.16 J2.17 J2.18 J2.85 J2.87 J2.88 J2.89 J2.90 J2.91 J2.92 J2.93 J2.94 J2.95 J2.96 J2.97 J2.98 J2.99 J2.100 J2.101 J2.102 J3.5 J3.6 J3.7 J3.8 J3.9 J3.10 J3.11 J3.12 J3.13 J3.14 J3.15 J3.16 J3.17 J3.18 J3.19 J3.20 J3.83 J3.84 J3.85 J3.86 J3.87 J3.88 J3.89 J3.90 J3.91 J3.92 J3.93 J3.94 J3.95 J3.96 J3.97 J3.98 J3.99 J3.100 J3.101 J3.102 J4.4 J4.5 J4.6 J4.7 J4.8 J4.9 J4.11 J4.12 J4.15 J4.MH1 J4.MH2 SW0.3 SW0.7 SW1.3 SW1.7 SW2.3 SW2.7 SW3.3 SW3.7 SW4.3 SW4.7 SW5.3 SW5.7 SW6.3 SW6.7 SW7.3 SW7.7 SW8.3 SW8.7 SW9.3 SW9.7 SW10.3 SW11.3 SW12.3 SW13.3

## Polygon pours and split planes (outlines as drawn)
GND on Mid-Layer 3 "GND_L04_P000" (solid, pour order 0): 25.4,127 131.064,127 131.064,6.096 25.4,6.096